# Altium PCB RTM_SFP_no-teardrops.PcbDoc (part 3 of 7)
Units mil, origin at the board's own origin, x right, y up, seen from the top; angles counter-clockwise.
Board outline 7185 x 5846.5 mil, 4 copper layers (Top Layer, MidPlane_1, MidPlane_2, Bottom Layer), stack 63.553 mil thick; 389 components, 333 nets, 1578 pads, 1486 vias.
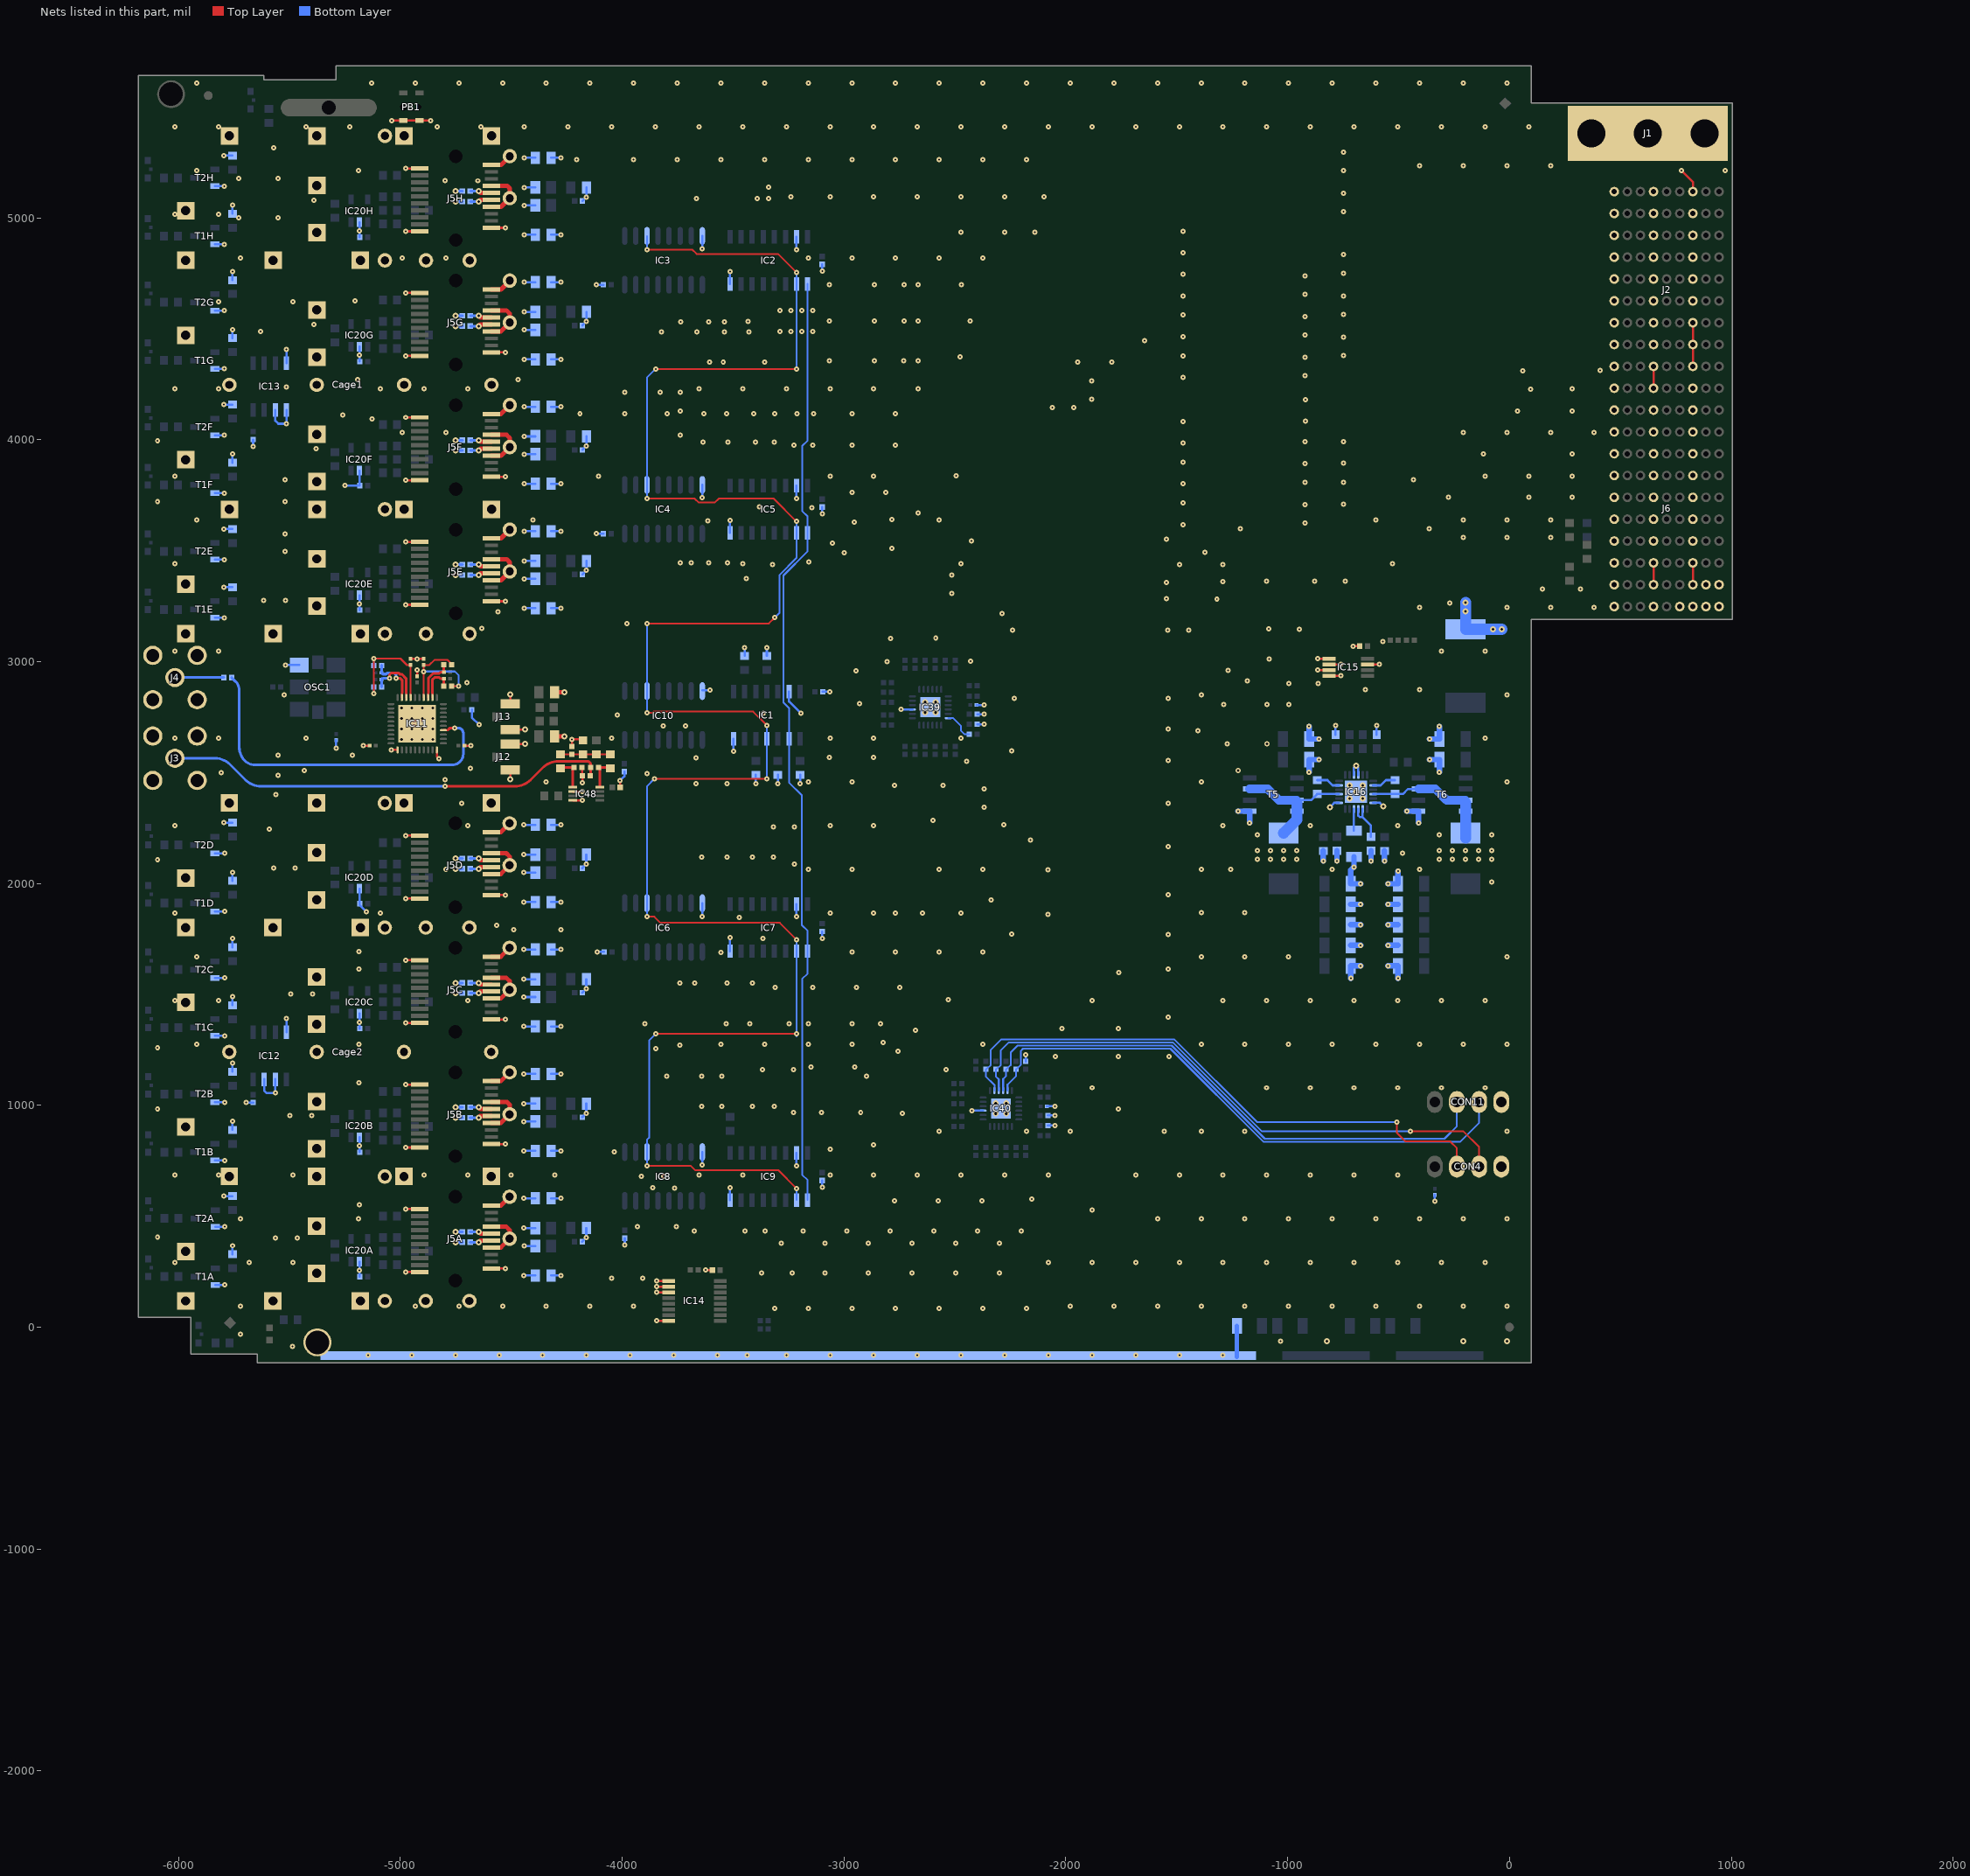
[diagram p5: the nets of this part, all layers, seen from the top]

## Via types
v1: diameter 23.62, hole 7.87, Top Layer to Bottom Layer, tented both sides, 1401 vias
v2: diameter 27.56, hole 11.81, Top Layer to Bottom Layer, tented both sides, 59 vias
v3: diameter 25.98, hole 12.99, Top Layer to Bottom Layer, tented top, 24 vias
v4: diameter 23.62, hole 11.81, Top Layer to Bottom Layer, tented both sides, 2 vias

## Nets (pads, with @x,y where several pads share a name; then routed paths per layer and width w, separated by ;. In a path a pad name is that pad's centre, name@x,y a point inside that pad or via, vN(x,y) a via of type N, cw(c..) or ccw(c..) an arc to the next point about the centre after c; other vN are vias at no path point) (continued)
GND: C1.2 C2.2 C3.2 C4.2 C6.2 C7.2 C8.2 C9.1 C10.1 C12.1 C13A.2 C13B.2 C13C.2 C13D.2 C13E.2 C13F.2 C13G.2 C13H.2 C14.1 C15.1 C16.2 C17.2 C19.1 C20.2 C21.2 C22.2 C23.2 C24.1 C25.2 C26.2 C27.2 C84.2 C176.1 C179.1 C180.1 C181.1 C182.1 C186A.2 C186B.2 C186C.2 C186D.2 C186E.2 C186F.2 C186G.2 C186H.2 C202A.1 C202B.1 C202C.1 C202D.1 C202E.1 C202F.1 C202G.1 C202H.1 C207.1 C208.1 C209.1 C210.1 C213.1 C214A.2 C214B.2 C214C.2 C214D.2 C214E.2 C214F.2 C214G.2 C214H.2 C219A.2 C219B.2 C219C.2 C219D.2 C219E.2 C219F.2 C219G.2 C219H.2 C220A.2 C220B.2 C220C.2 C220D.2 C220E.2 C220F.2 C220G.2 C220H.2 C228A.2 C228B.2 C228C.2 C228D.2 C228E.2 C228F.2 C228G.2 C228H.2 C386.1 C390.1 C391.1 C396.1 C397.1 C399.1 C400.1 C401.1 C402.1 C403.1 C404.1 Cage1.1 Cage1.2 Cage1.3 Cage1.4 Cage1.5 Cage1.6 Cage1.7 Cage1.8 Cage1.9 Cage1.10 Cage1.11 Cage1.12 Cage1.13 Cage1.14 Cage1.15 Cage1.16 Cage1.17 Cage1.18 Cage1.19 Cage1.20 Cage1.21 Cage1.22 Cage1.23 Cage1.24 Cage1.25 Cage1.26 Cage1.27 Cage1.28 Cage1.29 Cage1.30 Cage1.31 Cage1.32 Cage1.33 Cage1.34 Cage1.35 Cage1.36 Cage1.37 Cage1.38 Cage1.39 Cage1.40 Cage1.41 Cage1.42 Cage1.43 Cage1.44 Cage1.45 Cage1.46 Cage2.1 Cage2.2 Cage2.3 Cage2.4 Cage2.5 Cage2.6 Cage2.7 Cage2.8 Cage2.9 Cage2.10 Cage2.11 Cage2.12 Cage2.13 Cage2.14 Cage2.15 Cage2.16 Cage2.17 Cage2.18 Cage2.19 Cage2.20 Cage2.21 Cage2.22 Cage2.23 Cage2.24 Cage2.25 Cage2.26 Cage2.27 Cage2.28 Cage2.29 Cage2.30 Cage2.31 Cage2.32 Cage2.33 Cage2.34 Cage2.35 Cage2.36 Cage2.37 Cage2.38 Cage2.39 Cage2.40 Cage2.41 Cage2.42 Cage2.43 Cage2.44 Cage2.45 Cage2.46 CON4.1 CON11.1 IC1.7 IC1.13 IC2.8 IC2.15 IC3.8 IC4.8 IC5.8 IC5.15 IC6.8 IC7.8 IC7.15 IC8.8 IC9.8 IC9.15 IC10.8 IC11.21 IC11.30 IC11.41 IC12.4 IC12.6 IC12.7 IC13.4 IC13.5 IC13.6 IC14.1 IC14.2 IC14.3 IC14.8 IC15.1 IC15.2 IC15.3 IC15.4 IC15.7 IC16.3 IC16.4 IC16.12 IC16.19 IC16.25 IC20A.2 IC20B.2 IC20C.2 IC20D.2 IC20E.2 IC20F.2 IC20G.2 IC20H.2 IC39.9 IC39.25 IC40.9 IC40.25 IC48.2 IC48.4 J1.1 J2.BG1 J2.BG2 J2.BG3 J2.BG4 J2.BG5 J2.BG6 J2.BG7 J2.BG8 J2.BG9 J2.BG10 J2.DG1 J2.DG2 J2.DG3 J2.DG4 J2.DG5 J2.DG6 J2.DG7 J2.DG8 J2.DG9 J2.DG10 J2.FG1 J2.FG2 J2.FG3 J2.FG4 J2.FG5 J2.FG6 J2.FG7 J2.FG8 J2.FG9 J2.FG10 J3.2 J4.2 J5A.1 J5A.10 J5A.11 J5A.14 J5A.17 J5A.20 J5B.1 J5B.10 J5B.11 J5B.14 J5B.17 J5B.20 J5C.1 J5C.10 J5C.11 J5C.14 J5C.17 J5C.20 J5D.1 J5D.10 J5D.11 J5D.14 J5D.17 J5D.20 J5E.1 J5E.10 J5E.11 J5E.14 J5E.17 J5E.20 J5F.1 J5F.10 J5F.11 J5F.14 J5F.17 J5F.20 J5G.1 J5G.10 J5G.11 J5G.14 J5G.17 J5G.20 J5H.1 J5H.10 J5H.11 J5H.14 J5H.17 J5H.20 J6.BG1 J6.BG2 J6.BG3 J6.BG4 J6.BG5 J6.BG6 J6.BG7 J6.BG8 J6.BG9 J6.BG10 J6.C1 J6.DG1 J6.DG2 J6.DG3 J6.DG4 J6.DG5 J6.DG6 J6.DG7 J6.DG8 J6.DG9 J6.DG10 J6.FG1 J6.FG2 J6.FG3 J6.FG4 J6.FG5 J6.FG6 J6.FG7 J6.FG8 J6.FG9 J6.FG10 J12.2 J13.2 OSC1.3 pad.ESD_STRIP_SEGMENT_3 pad.MH2 PB1.3 PB1.4 R2.1 R3.1 R4.1 R5.1 R10A.1 R10B.1 R10C.1 R10D.1 R10E.1 R10F.1 R10G.1 R10H.1 R12A.1 R12B.1 R12C.1 R12D.1 R12E.1 R12F.1 R12G.1 R12H.1 R13.1 R18.1 R22.2 R26.1 R30.1 R54.2 R211.2 R246.1 R248.1 R326.1 R327.1 R347.1 R348.1 R349.1 T1A.2 T1B.2 T1C.2 T1D.2 T1E.2 T1F.2 T1G.2 T1H.2 T2A.2 T2B.2 T2C.2 T2D.2 T2E.2 T2F.2 T2G.2 T2H.2 T5.1 T6.1 | length 14420
  Top Layer w10: v1(-5166.93,2621.26) C399.1@-5138.19,2621.26 ; v1(-5040.94,2601.97) IC11.21@-5012.99,2601.97 ; v1(-5038.43,5438.44) PB1.3@-4987.26,5438.44 PB1.4@-4914.42,5438.44 v1(-4863.24,5438.44) ; v1(-4976.29,249.06) J5A.10@-4912.98,249.06 ; v1(-4976.29,532.53) J5A.1@-4912.98,532.53 ; v1(-4976.29,810.09) J5B.10@-4912.98,810.09 ; v1(-4976.29,1093.55) J5B.1@-4912.98,1093.55 ; v1(-4976.29,1371.11) J5C.10@-4912.98,1371.11 ; v1(-4976.29,1654.58) J5C.1@-4912.98,1654.58 ; v1(-4976.29,1932.13) J5D.10@-4912.98,1932.13 ; v1(-4976.29,2215.6) J5D.1@-4912.98,2215.6 ; v1(-4975.73,3256.16) J5E.10@-4912.42,3256.16 ; v1(-4975.73,3539.62) J5E.1@-4912.42,3539.62 ; v1(-4975.73,3817.18) J5F.10@-4912.42,3817.18 ; v1(-4975.73,4100.65) J5F.1@-4912.42,4100.65 ; v1(-4975.73,4378.21) J5G.10@-4912.42,4378.21 ; v1(-4975.73,4661.67) J5G.1@-4912.42,4661.67 ; v1(-4975.73,4939.23) J5H.10@-4912.42,4939.23 ; v1(-4975.73,5222.69) J5H.1@-4912.42,5222.69 ; C397.1@-4953.94,3011.81 v1(-4924.41,3011.81) C396.1@-4894.88,3011.81 ; C400.1@-4924.41,2934.25 v1(-4924.41,2962.99) ; IC11.30@-4835.83,2601.97 -4835.83,2572.44 v1(-4825.59,2562.2) ; C401.1@-4710.63,2621.26 v1(-4681.89,2621.26) ; J5A.11@-4590.14,264.81 v1(-4526.83,264.81) ; J5B.11@-4590.14,825.83 v1(-4526.83,825.83) ; J5C.11@-4590.14,1386.86 v1(-4526.83,1386.86) ; J5D.11@-4590.14,1947.88 v1(-4526.83,1947.88) ; J5E.11@-4589.58,3271.91 v1(-4526.27,3271.91) ; J5F.11@-4589.58,3832.93 v1(-4526.27,3832.93) ; J5G.11@-4589.58,4393.95 v1(-4526.27,4393.95) ; J5H.11@-4589.58,4954.98 v1(-4526.27,4954.98) ; v2(-4504.72,2469.09) J12.2@-4504.72,2512.4 ; J12.2@-4504.72,2628.54 v2(-4437.8,2628.54) ; J13.2@-4504.72,2693.5 v2(-4437.8,2693.5) ; J13.2@-4504.72,2809.65 v2(-4504.72,2852.95) ; C16.2@-4226.77,2617.32 v1(-4226.77,2649.21) -4181.1,2649.21 R26.1@-4176.77,2644.88 ; IC48.4@-4222.44,2374.41 v1(-4179.63,2374.41) ; IC48.2@-4222.44,2413.78 v1(-4179.63,2413.78) ; R211.2@-4181.6,2487.01 C19.1@-4181.6,2522.83 ; v1(-4179.63,2454.62) R211.2@-4179.63,2485.04 ; C17.2@-4009.45,2433.46 v1(-4009.45,2464.17) ; v1(-3843.9,28.94) IC14.8@-3790.55,28.94 ; v1(-3843.9,156.89) IC14.3@-3790.55,156.89 ; v1(-3843.9,182.48) IC14.2@-3790.55,182.48 ; v1(-3843.9,208.07) IC14.1@-3790.55,208.07 ; v1(-3623.62,257.48) C26.2@-3593.7,257.48 ; v1(-864.76,2962.01) IC15.3@-812.6,2962.01 ; v1(-864.76,3013.19) IC15.1@-812.6,3013.19 ; IC15.4@-812.6,2936.42 v1(-760.43,2936.42) ; IC15.2@-812.6,2987.6 v1(-760.43,2987.6) ; v1(-705.51,3069.69) C27.2@-674.8,3069.69 ; IC15.7@-639.37,2987.6 v1(-586.81,2987.6) ; J6.DG2@649.61,3346.46 J6.DG3@649.61,3444.88 ; J2.DG1@649.61,4232.28 J2.DG2@649.61,4330.71 ; v1(775.58,5213.05) 826.77,5161.85 J2.BG10@826.77,5118.11 ; J6.BG2@826.77,3346.46 J6.BG3@826.77,3444.88 ; J2.BG2@826.77,4330.71 J2.BG3@826.77,4429.13 J2.BG4@826.77,4527.56
  Top Layer w19.68: J5A.14@-4590.14,359.3 -4547.03,359.3 Cage2.43@-4507.46,398.87 -4507.46,437.78 -4523.47,453.79 J5A.17@-4590.14,453.79 ; J5A.20@-4590.14,548.28 -4547.03,548.28 Cage2.42@-4507.46,587.84 ; J5B.14@-4590.14,920.32 -4547.03,920.32 Cage2.40@-4507.46,959.89 -4507.46,1003.13 -4519.14,1014.81 J5B.17@-4590.14,1014.81 ; J5B.20@-4590.14,1109.3 -4547.03,1109.3 Cage2.39@-4507.46,1148.87 ; J5C.14@-4590.14,1481.35 -4547.03,1481.35 Cage2.34@-4507.46,1520.91 -4507.46,1560.22 -4523.08,1575.84 J5C.17@-4590.14,1575.84 ; J5C.20@-4590.14,1670.32 -4547.03,1670.32 Cage2.33@-4507.46,1709.89 ; J5D.14@-4590.14,2042.37 -4547.03,2042.37 Cage2.29@-4507.46,2081.94 -4507.46,2121.64 -4522.69,2136.86 J5D.17@-4590.14,2136.86 ; J5D.20@-4590.14,2231.35 -4547.03,2231.35 Cage2.28@-4507.46,2270.91 ; J5E.14@-4589.58,3366.39 -4546.47,3366.39 Cage1.43@-4506.91,3405.96 -4506.91,3447.46 -4520.33,3460.88 J5E.17@-4589.58,3460.88 ; J5E.20@-4589.58,3555.37 -4546.47,3555.37 Cage1.42@-4506.91,3594.94 ; J5F.14@-4589.58,3927.42 -4546.47,3927.42 Cage1.40@-4506.91,3966.98 -4506.91,4007.69 -4521.12,4021.91 J5F.17@-4589.58,4021.91 ; J5F.20@-4589.58,4116.39 -4546.47,4116.39 Cage1.39@-4506.91,4155.96 ; J5G.14@-4589.58,4488.44 -4546.47,4488.44 Cage1.34@-4506.91,4528.01 -4506.91,4567.93 -4521.91,4582.93 J5G.17@-4589.58,4582.93 ; J5G.20@-4589.58,4677.42 -4546.47,4677.42 Cage1.33@-4506.91,4716.99 ; J5H.14@-4589.58,5049.47 -4546.47,5049.47 Cage1.29@-4506.91,5089.03 -4506.91,5132.5 -4518.36,5143.95 J5H.17@-4589.58,5143.95 ; J5H.20@-4589.58,5238.44 -4546.47,5238.44 Cage1.28@-4506.91,5278.01 ; C24.1@-4304.33,2662.6 v2(-4261.02,2662.6) ; C390.1@-4304.33,2861.42 v2(-4261.02,2861.42)
  Bottom Layer w10: T1E.2@-5836.61,3197.84 v1(-5793.7,3197.84) ; T2E.2@-5836.61,3459.65 v1(-5793.7,3459.65) ; T1F.2@-5836.61,3758.86 v1(-5793.7,3758.86) ; T2F.2@-5836.61,4020.67 v1(-5793.7,4020.67) ; T1G.2@-5836.61,4319.88 v1(-5793.7,4319.88) ; T2G.2@-5836.61,4581.69 v1(-5793.7,4581.69) ; T1H.2@-5836.61,4880.91 v1(-5793.7,4880.91) ; T2H.2@-5836.61,5142.72 v1(-5793.7,5142.72) ; T1B.2@-5835.63,751.97 v1(-5792.72,751.97) ; T2B.2@-5835.63,1013.78 v1(-5792.72,1013.78) ; T1C.2@-5835.63,1312.99 v1(-5792.72,1312.99) ; T2C.2@-5835.63,1574.8 v1(-5792.72,1574.8) ; T1D.2@-5835.63,1874.02 v1(-5792.72,1874.02) ; T2D.2@-5835.63,2135.83 v1(-5792.72,2135.83) ; T1A.2@-5835.06,190.9 v1(-5792.14,190.9) ; T2A.2@-5835.06,452.71 v1(-5792.14,452.71) ; v1(-5795.67,590.5) R10A.1@-5756.69,590.5 ; v1(-5795.67,2273.62) R10D.1@-5756.69,2273.62 ; v1(-5795.67,3335.63) R12E.1@-5756.69,3335.63 ; v1(-5795.67,3597.44) R10E.1@-5756.69,3597.44 ; v1(-5795.67,4158.46) R10F.1@-5756.69,4158.46 ; v1(-5795.67,5280.51) R10H.1@-5756.69,5280.51 ; R12A.1@-5756.69,328.69 v1(-5756.69,367.67) ; R12B.1@-5756.69,889.76 v1(-5756.69,928.74) ; R10B.1@-5756.69,1151.57 v1(-5756.69,1190.55) ; R12C.1@-5756.69,1450.79 v1(-5756.69,1489.76) ; R10C.1@-5756.69,1712.6 v1(-5756.69,1751.57) ; R12D.1@-5756.69,2011.81 v1(-5756.69,2050.79) ; R12F.1@-5756.69,3896.65 v1(-5756.69,3935.63) ; R12G.1@-5756.69,4457.68 v1(-5756.69,4496.65) ; R10G.1@-5756.69,4719.49 v1(-5756.69,4758.46) ; R12H.1@-5756.69,5018.7 v1(-5756.69,5057.68) ; v1(-5694.65,1012.6) C21.2@-5663.8,1012.6 ; v1(-5663.8,3970.13) C25.2@-5663.8,4000.99 ; IC12.7@-5613.8,1117.58 -5613.8,1065.76 -5604.32,1056.28 v1(-5563.8,1056.28) IC12.6@-5563.8,1117.58 ; IC13.6@-5563.8,4133.32 -5563.8,4085.84 -5549.98,4072.03 v1(-5513.8,4072.03) IC13.5@-5513.8,4133.32 ; v1(-5517.72,2984.65) OSC1.3@-5455.12,2984.65 ; IC12.4@-5513.8,1330.17 v1(-5513.8,1391.46) ; IC13.4@-5513.8,4345.92 v1(-5513.8,4407.21) ; v1(-5289.76,2610.24) C391.1@-5289.76,2646.85 ; v1(-5250.39,3793.31) C202F.1@-5184.25,3793.31 ; C202A.1@-5184.25,227.9 IC20A.2@-5184.25,295.23 ; C202B.1@-5184.25,788.98 IC20B.2@-5184.25,856.3 ; C202C.1@-5184.25,1346.06 IC20C.2@-5184.25,1413.39 ; C202D.1@-5184.25,1909.06 IC20D.2@-5184.25,1976.38 ; C202E.1@-5184.25,3231.89 IC20E.2@-5184.25,3299.21 ; IC20F.2@-5184.25,3860.63 C202F.1@-5184.25,3793.31 ; C202G.1@-5184.25,4352.36 IC20G.2@-5184.25,4419.69 ; C202H.1@-5184.25,4912.99 IC20H.2@-5184.25,4980.32 ; C202D.1@-5183.46,1909.06 -5183.46,1902.76 v1(-5153.94,1873.23) ; C202F.1@-5183.46,3793.31 C202F.1@-5184.25,3793.31 ; R30.1@-4677.56,2783.07 -4677.56,2748.43 v1(-4645.67,2716.54) ; C219A.2@-4321.43,233.46 v1(-4276.74,233.46) ; C220A.2@-4321.43,580.7 v1(-4276.74,580.7) ; C219B.2@-4321.43,794.48 v1(-4276.74,794.48) ; C220B.2@-4321.43,1141.72 v1(-4276.74,1141.72) ; C219C.2@-4321.43,1355.5 v1(-4276.74,1355.5) ; C220C.2@-4321.43,1702.75 v1(-4276.74,1702.75) ; C219D.2@-4321.43,1916.53 v1(-4276.74,1916.53) ; C220D.2@-4321.43,2263.77 v1(-4276.74,2263.77) ; C219E.2@-4320.87,3240.55 v1(-4276.18,3240.55) ; C220E.2@-4320.87,3587.8 v1(-4276.18,3587.8) ; C219F.2@-4320.87,3801.58 v1(-4276.18,3801.58) ; C220F.2@-4320.87,4148.82 v1(-4276.18,4148.82) ; C219G.2@-4320.87,4362.6 v1(-4276.18,4362.6) ; C220G.2@-4320.87,4709.84 v1(-4276.18,4709.84) ; C219H.2@-4320.87,4923.62 v1(-4276.18,4923.62) ; C220H.2@-4320.87,5270.87 v1(-4276.18,5270.87) ; C186A.2@-4179.8,385.71 -4161.98,403.54 C13A.2@-4161.98,446.84 ; C186B.2@-4179.69,946.84 v1(-4161.98,964.56) C13B.2@-4161.98,1007.87 ; C186C.2@-4179.69,1507.87 v1(-4161.98,1525.58) C13C.2@-4161.98,1568.89 ; C186D.2@-4179.69,2068.89 v1(-4161.98,2086.61) C13D.2@-4161.98,2129.91 ; C186E.2@-4179.13,3392.91 -4161.42,3410.63 C13E.2@-4161.42,3453.94 ; C186F.2@-4179.13,3953.94 -4161.42,3971.65 C13F.2@-4161.42,4014.96 ; C186G.2@-4179.13,4514.96 -4161.42,4532.68 C13G.2@-4161.42,4575.98 ; C186H.2@-4179.13,5075.98 v1(-4161.42,5093.7) C13H.2@-4161.42,5137.01 ; v1(-4116.14,4698.43) C6.2@-4085.04,4698.43 ; v1(-4116.05,3576.47) C7.2@-4085.04,3576.47 ; v1(-4112.5,1691.43) C22.2@-4081.5,1691.43 ; v1(-4009.45,2464.17) -3990.16,2483.46 C1.2@-3990.16,2503.94 ; v1(-3988.58,370.47) C2.2@-3988.58,400.98 ; v1(-3638.78,731.9) IC8.8@-3638.78,789.38 ; v1(-3638.78,1850.2) IC6.8@-3638.78,1911.43 ; IC10.8@-3638.78,2871.06 v1(-3604.13,2871.06) ; v1(-3638.78,3738.99) IC4.8@-3638.78,3796.47 ; v1(-3638.78,4861.04) IC3.8@-3638.78,4918.52 ; IC9.8@-3514.17,573.08 v1(-3514.17,629.77) ; IC7.8@-3514.17,1695.13 v1(-3514.17,1756.36) ; IC5.8@-3514.17,3580.17 v1(-3514.17,3636.87) ; IC2.8@-3514.17,4702.22 v1(-3514.17,4758.91) ; v1(-3498.03,2594.88) IC1.7@-3498.03,2651.57 ; R2.1@-3448.03,3025.59 v1(-3448.03,3063.78) ; v1(-3397.64,2449.21) R3.1@-3397.64,2490.16 ; R5.1@-3348.03,3025.59 v1(-3348.03,3063.78) ; v1(-3298.03,2449.21) R13.1@-3298.03,2490.16 ; IC1.13@-3248.03,2864.17 -3248.03,2820.47 v1(-3194.09,2766.54) ; v1(-3214.17,728.2) IC9.15@-3214.17,785.68 ; v1(-3214.17,1850.24) IC7.15@-3214.17,1907.72 ; v1(-3214.17,3735.29) IC5.15@-3214.17,3792.77 ; v1(-3214.17,4857.34) IC2.15@-3214.17,4914.82 ; v1(-3198.03,2449.21) R4.1@-3198.03,2490.16 ; v1(-3098.43,630.56) C3.2@-3098.43,661.66 ; v1(-3098.43,1752.61) C4.2@-3098.43,1783.71 ; v1(-3098.43,3665.21) C20.2@-3098.43,3696.32 ; v1(-3098.43,4759.7) C8.2@-3098.43,4790.8 ; C23.2@-3096.06,2864.17 v1(-3064.96,2864.17) ; v1(-2742.53,2784.26) IC39.9@-2691.68,2784.26 ; v1(-2424.08,975.98) IC40.9@-2373.23,975.98 ; C404.1@-2403.15,2803.94 v1(-2368.11,2803.94) ; R327.1@-2399.21,2717.72 v1(-2368.11,2717.72) ; R326.1@-2399.21,2762.8 v1(-2368.11,2762.8) ; R349.1@-2180.37,1197.63 v1(-2180.37,1228.73) ; C402.1@-2084.7,995.67 v1(-2049.66,995.67) ; R348.1@-2080.76,909.44 v1(-2049.66,909.44) ; R347.1@-2080.76,954.52 v1(-2049.66,954.52) ; v2(-809.84,2343.7) -790.16,2363.39 IC16.19@-768.11,2363.39 ; R248.1@-783.86,2670.47 v1(-783.86,2711.42) ; IC16.3@-701.18,2489.37 -701.18,2521.26 v2(-691.34,2531.1) -681.5,2521.26 IC16.4@-681.5,2489.37 ; IC16.12@-614.57,2363.39 -584.65,2363.39 v2(-568.9,2347.64) ; R18.1@-598.82,2670.47 v1(-598.82,2711.42) ; v1(-337.02,567.31) C403.1@-337.02,596.06
  Bottom Layer w11.81: v2(-4751.97,383.27) C228A.2@-4720.47,383.27 ; v2(-4751.97,429.92) C214A.2@-4720.47,429.92 ; v2(-4751.97,944.29) C228B.2@-4720.47,944.29 ; v2(-4751.97,990.94) C214B.2@-4720.47,990.94 ; v2(-4751.97,1505.31) C228C.2@-4720.47,1505.31 ; v2(-4751.97,1551.97) C214C.2@-4720.47,1551.97 ; v2(-4751.97,2066.34) C228D.2@-4720.47,2066.34 ; v2(-4751.97,2112.99) C214D.2@-4720.47,2112.99 ; v2(-4751.41,3390.36) C228E.2@-4719.91,3390.36 ; v2(-4751.41,3437.02) C214E.2@-4719.91,3437.02 ; v2(-4751.41,3951.39) C228F.2@-4719.91,3951.39 ; v2(-4751.41,3998.04) C214F.2@-4719.91,3998.04 ; v2(-4751.41,4512.41) C228G.2@-4719.91,4512.41 ; v2(-4751.41,4559.06) C214G.2@-4719.91,4559.06 ; v2(-4751.41,5073.43) C228H.2@-4719.91,5073.43 ; v2(-4751.41,5120.09) C214H.2@-4719.91,5120.09
  Bottom Layer w19.68: pad.ESD_STRIP_SEGMENT_3@-1229.15,-134.39 R22.2@-1229.15,6.35
  Bottom Layer w25: v1(-1224.02,2325.79) T5.1@-1171.26,2325.79 v1(-1171.26,2273.03) ; v1(-903.54,2501.97) C9.1@-903.54,2558.66 v1(-858.66,2558.66) ; v1(-903.54,2707.87) C10.1@-903.54,2651.18 v1(-858.66,2651.18) ; v1(-839.37,2101.97) R54.2@-839.37,2146.85 ; v1(-777.95,2101.97) C84.2@-777.95,2146.85 ; v1(-715.35,1572.05) C181.1@-715.35,1628.74 v1(-670.47,1628.74) ; C182.1@-715.35,1721.26 v1(-670.47,1721.26) ; C180.1@-715.35,1813.78 v1(-670.47,1813.78) ; C179.1@-715.35,1906.3 v1(-670.47,1906.3) ; C207.1@-701.18,2119.29 v1(-701.18,2074.41) -715.35,2060.24 C176.1@-715.35,1998.82 v1(-670.47,1998.82) ; v1(-624.41,2101.97) C386.1@-624.41,2146.85 ; v1(-563.39,2101.97) R246.1@-563.39,2146.85 ; v1(-547.64,1628.74) C15.1@-502.76,1628.74 v1(-502.76,1572.05) ; v1(-547.64,1721.26) C213.1@-502.76,1721.26 ; v1(-547.64,1813.78) C210.1@-502.76,1813.78 ; v1(-547.64,1906.3) C208.1@-502.76,1906.3 ; v1(-547.64,1998.82) C209.1@-502.76,1998.82 v1(-502.76,2055.51) ; v1(-462.99,2325.79) T6.1@-410.24,2325.79 v1(-410.24,2273.03) ; v1(-360.63,2558.66) C12.1@-315.75,2558.66 v1(-315.75,2501.97) ; v1(-360.63,2651.18) C14.1@-315.75,2651.18 v1(-315.75,2707.87)
  other v1: -5145.67,-125.59 -4948.82,-125.59 -4751.97,-125.59 -4555.12,-125.59 -4358.27,-125.59 -4161.42,-125.59 -3964.57,-125.59 -3767.72,-125.59 -3570.87,-125.59 -3437.02,-125.59 -3259.86,-125.59 -3063.01,-125.59 -2866.16,-125.59 -2669.31,-125.59 -2472.46,-125.59 -2275.61,-125.59 -2078.76,-125.59 -1881.91,-125.59 -1685.05,-125.59 -1488.2,-125.59 -1291.35,-125.59 -5485.83,-86.22 -1032.3,-62.49 -5720.49,-32.29 -3312.6,85.43 -3161.43,85.43 -2964.58,85.43 -2767.73,85.43 -2570.88,85.43 -2374.03,85.43 -2177.18,85.43 -5720.49,94.94 -4933.09,94.94 -4736.24,94.94 -4539.39,94.94 -4342.54,94.94 -4145.68,94.94 -3948.83,94.94 -1980.33,94.94 -1783.48,94.94 -1586.63,94.94 -1389.78,94.94 -1192.93,94.94 -996.08,94.94 -799.23,94.94 -602.38,94.94 -405.53,94.94 -208.68,94.94 -11.83,94.94 -4047.26,221.26 -3907.09,221.26 -3372.05,245.08 -3233.27,245.08 -3086.61,245.08 -2889.76,245.08 -2692.91,245.08 -2496.06,245.08 -2299.21,245.08 -5184.25,256.64 -6015.76,291.79 -5681.12,291.79 -5484.27,291.79 -2078.76,291.79 -1881.91,291.79 -1685.05,291.79 -1488.2,291.79 -1291.35,291.79 -1094.5,291.79 -897.65,291.79 -700.8,291.79 -503.95,291.79 -307.1,291.79 -110.25,291.79 -3283.46,377.95 -3086.61,377.95 -2889.76,377.95 -2692.91,377.95 -2496.06,377.95 -2299.21,377.95 -5562.6,401.58 -5465.35,401.58 -4161.42,403.54 -6094.49,405.51 -3675.99,434.25 -3446.85,434.25 -3355.51,434.25 -3185.04,434.25 -2988.19,434.25 -2791.34,434.25 -2594.49,434.25 -2397.64,434.25 -2200.79,434.25 -3932.29,453.94 -3756.7,453.94 -5720.49,488.64 -5188.99,488.64 -1586.63,488.64 -1389.78,488.64 -1192.93,488.64 -996.08,488.64 -799.23,488.64 -602.38,488.64 -405.53,488.64 -208.68,488.64 -11.83,488.64 -1881.89,527.56 -5185.04,551.18 -2771.65,568.9 -2574.8,568.9 -2377.95,568.9 -2153.54,576.77 -3764.57,627.16 -3862.21,629.53 -3912.99,680.71 -3812.99,680.71 -6015.76,685.49 -5818.91,685.49 -5484.27,685.49 -4893.72,685.49 -4696.87,685.49 -4500.02,685.49 -4303.17,685.49 -3653.56,685.49 -3456.71,685.49 -3063.01,685.49 -2866.16,685.49 -2669.31,685.49 -2472.46,685.49 -2275.61,685.49 -2078.76,685.49 -1685.05,685.49 -1488.2,685.49 -1291.35,685.49 -1094.5,685.49 -897.65,685.49 -700.8,685.49 -503.95,685.49 -4035.43,791.34 -3062.99,803.15 -5184.25,817.72 -2866.14,822.83 -2570.88,882.34 -2177.18,882.34 -1980.33,882.34 -1557.1,882.34 -1389.78,882.34 -1192.93,882.34 -11.83,882.34 -5497.88,953.15 -5400.63,953.15 -2736.22,964.57 -3228.35,968.5 -3102.36,968.5 -2925.2,968.5 -6094.49,984.25 -1763.78,984.25 -3641.73,995.08 -3551.18,995.08 -3413.39,995.08 -3314.96,995.08 -1881.91,1079.19 -1094.5,1079.19 -897.65,1079.19 -700.8,1079.19 -503.95,1079.19 -307.1,1079.19 -110.25,1079.19 -5186.04,1102.36 -3799.21,1131.89 -3641.73,1131.89 -3551.18,1131.89 -2898.62,1131.89 -3367.13,1160.43 -3228.35,1161.42 -2539.37,1161.42 -3149.61,1173.23 -2952.76,1173.23 -2047.24,1220.47 -1763.78,1220.47 -1535.43,1220.47 -2755.91,1244.09 -3848.43,1255.91 -6094.49,1259.84 -3740.16,1271.65 -5917.34,1276.04 -5186.04,1276.04 -3555.13,1276.04 -3358.28,1276.04 -3161.43,1276.04 -2964.58,1276.04 -2374.03,1276.04 -1389.78,1276.04 -1192.93,1276.04 -996.08,1276.04 -799.23,1276.04 -602.38,1276.04 -405.53,1276.04 -208.68,1276.04 -11.83,1276.04 -2822.83,1283.46 -2677.17,1338.58 -2017.72,1346.46 -1763.78,1346.46 -3897.64,1367.13 -3531.5,1367.13 -3425.2,1367.13 -3248.03,1367.13 -3161.42,1367.13 -2964.57,1367.13 -2835.63,1367.13 -5184.25,1374.8 -1539.37,1397.64 -6015.76,1472.89 -5818.91,1472.89 -4696.87,1472.89 -1881.91,1472.89 -1291.35,1472.89 -1094.5,1472.89 -897.65,1472.89 -700.8,1472.89 -503.95,1472.89 -307.1,1472.89 -110.25,1472.89 -2530.51,1475.39 -5493.83,1502.36 -5396.59,1502.36 -3311.02,1531.5 -3141.73,1531.5 -2944.88,1531.5 -2748.03,1531.5 -3740.16,1551.18 -3673.23,1551.18 -3527.56,1551.18 -3413.39,1551.18 -1760.83,1599.41 -5186.02,1614.17 -1539.37,1614.17 -5917.34,1669.74 -1389.78,1669.74 -1192.93,1669.74 -996.08,1669.74 -11.83,1669.74 -3555.13,1689.43 -2964.58,1691.39 -2767.73,1691.39 -2570.88,1691.39 -2374.03,1691.39 -5186.02,1692.91 -3366.14,1751.97 -1539.37,1770.08 -2244.09,1771.65 -4488.19,1791.34 -4275.59,1791.34 -4566.93,1811.02 -3472.44,1846.46 -2080.71,1860.24 -2767.72,1866.14 -2645.67,1866.14 -6015.76,1866.59 -5090.57,1866.59 -3063.01,1866.59 -2866.16,1866.59 -2472.46,1866.59 -1389.78,1868.9 -1192.93,1868.9 -2337.8,1926.38 -1539.37,1948.82 -79.53,2006.69 -2080.71,2062.01 -4795.29,2063.44 -3161.43,2063.44 -2964.58,2063.44 -2570.88,2063.44 -2374.03,2063.44 -1389.78,2063.44 -1255.92,2063.44 -799.23,2063.44 -405.53,2063.44 -5571.39,2070.08 -5474.14,2070.08 -3224.41,2086.61 -6094.49,2106.3 -3641.73,2118.11 -3527.56,2118.11 -3413.39,2118.11 -3318.9,2118.11 -482.68,2136.61 -1539.37,2165.35 -2160.43,2194.88 -5590.55,2244.09 -3318.9,2253.94 -3224.41,2253.94 -6015.76,2260.29 -4696.87,2260.29 -3063.01,2260.29 -2866.16,2260.29 -1291.35,2260.29 -897.65,2260.29 -503.95,2260.29 -2280.53,2265.21 -2598.43,2283.46 -2367.81,2343.01 -4724.41,2362.2 -1539.37,2362.2 -5561.02,2401.57 -2367.81,2426.08 -2772.05,2441.73 -2554.33,2442.13 -3668.11,2449.21 -3526.77,2449.21 -4342.54,2457.14 -3161.43,2457.14 -2964.58,2457.14 -1389.78,2457.14 -11.83,2457.14 -4797.64,2468.11 -5551.18,2488.19 -3887.8,2495.08 -5807.07,2500 -5433.07,2509.84 -4685.04,2519.69 -2447.64,2551.18 -1539.37,2555.12 -3668.11,2566.93 -3065.75,2568.11 -2866.93,2568.11 -5551.18,2578.74 -5216.54,2578.74 -2244.09,2598.43 -1271.65,2629.92 -6015.76,2653.99 -5818.91,2653.99 -5425.21,2653.99 -4047.26,2653.99 -3063.01,2653.99 -2866.16,2653.99 -2472.46,2653.99 -110.25,2653.99 -1405.51,2688.98 -1539.37,2696.85 -3814.18,2709.45 -3714.18,2709.45 -4021.66,2760.24 -3363.78,2766.54 -1287.4,2807.09 -1092.52,2807.09 -994.09,2807.09 -2929.53,2809.84 -2232.28,2834.65 -1539.37,2834.65 -5523.64,2850.84 -1389.78,2850.84 -11.83,2850.84 -649.61,2874.02 -405.51,2874.02 -994.09,2901.57 -862.2,2901.57 -4700.79,2905.51 -1181.1,2913.39 -2946.46,2958.66 -1267.72,2960.63 -2806.3,3000.39 -2429.92,3001.97 -1082.68,3011.81 -6015.76,3047.69 -5818.91,3047.69 -307.1,3047.69 -110.25,3047.69 -570.87,3090.55 -2790.55,3105.12 -2586.22,3106.1 -2241.14,3141.34 -1540.16,3141.34 -1446.85,3141.34 -946.85,3146.65 -1085.63,3147.64 -4633.86,3149.61 -3979.33,3171.26 -2287.01,3217.32 -4561.02,3225.39 -405.53,3244.54 -11.83,3244.54 185.02,3244.54 381.87,3244.54 -5184.25,3260.63 -268.9,3264.06 -5615.9,3276.77 -5518.66,3276.77 -1318.9,3282.48 -1546.06,3283.86 -2514.57,3306.69 147.64,3326.77 319.88,3326.77 -1546.06,3356.69 -1291.35,3360.63 -1094.49,3362.2 -877.95,3362.2 -740.16,3362.2 -3440.16,3375.2 -2514.57,3389.76 -4161.02,3411.02 -1488.2,3436.47 -1291.35,3436.47 -3322.44,3437.6 -6015.76,3441.39 -3456.71,3441.39 -2472.46,3441.39 -527.57,3441.39 -3738.59,3444.88 -3688.59,3444.88 -3610.24,3444.88 -3525.99,3444.88 -3159.45,3448.43 -2998.43,3490.95 -1372.84,3492.91 -5519.68,3496.06 -2785.04,3510.63 -3051.97,3533.07 -2426.18,3543.31 -1546.06,3551.97 -208.66,3559.06 -11.81,3559.06 185.04,3559.06 -5519.68,3574.8 -362.2,3598.43 -1213.58,3599.41 -1471.39,3617.72 -921.71,3625.14 -2954.74,3628.4 -3614.18,3635.04 -5917.34,3638.24 -4401.59,3638.24 -2570.88,3638.24 -602.38,3638.24 -208.68,3638.24 -11.83,3638.24 185.02,3638.24 -2785.04,3639.76 -2666.14,3670.47 -3144.88,3692.91 -3381.1,3696.85 -921.71,3708.21 -748.63,3710.3 -1471.39,3714.96 -6094.49,3720.47 -5519.68,3720.47 -275.59,3740.16 86.61,3740.16 283.46,3740.16 -2964.58,3762.6 -2811.42,3762.6 -1471.26,3801.45 -748.63,3807.54 -921.58,3808.87 -5519.68,3818.9 -433.07,3818.9 -6015.76,3835.09 -4106.31,3835.09 -3063.01,3835.09 -2866.16,3835.09 -110.25,3835.09 86.6,3835.09 283.45,3835.09 -2494.11,3838.05 -921.58,3891.94 -747.84,3893.76 -1471.26,3898.69 -118.11,3937.01 283.46,3937.01 -5379.53,3960.42 -4161.02,3971.65 -3225.59,3976.38 -3141.73,3976.38 -2964.58,3976.38 -2767.72,3976.38 -1471.26,3984.8 -3636.22,3990.16 -3522.44,3990.16 -3400,3990.16 -3314.18,3990.16 -747.84,3991 -921.58,3992.22 -6094.49,3996.06 -3738.19,4020.67 -4992.14,4031.95 -4795.29,4031.95 -208.68,4031.95 -11.83,4031.95 185.02,4031.95 381.87,4031.95 -1471.26,4082.04 -919.5,4083.13 -5127.95,4094.49 -5258.86,4112.2 -4190.55,4116.93 -3988.59,4116.93 -3797.25,4116.93 -3631.1,4116.93 -3529.92,4116.93 -3406.7,4116.93 -3312.99,4116.93 -3212.6,4116.93 -3137.8,4116.93 -2964.58,4116.93 -2767.72,4116.93 -3738.19,4129.92 35.43,4129.92 283.46,4129.92 -2061.81,4145.28 -1964.57,4145.28 -919.5,4180.37 -1883.72,4181.7 -3988.59,4214.57 -3828.74,4214.57 -3738.19,4214.57 94.49,4228.35 -6015.76,4228.8 -5818.91,4228.8 -5090.57,4228.8 -4893.72,4228.8 -4696.87,4228.8 -3653.56,4228.8 -3456.71,4228.8 -3259.86,4228.8 -3063.01,4228.8 -2866.16,4228.8 -2665.36,4228.8 283.45,4228.8 -5513.8,4236.67 -1883.72,4264.77 -5191.93,4271.65 -4468.5,4271.65 -1471.26,4280.99 -921.58,4288.41 59.06,4311.02 408.46,4312.99 -3606.7,4349.21 -3544.1,4349.21 -3358.28,4349.21 -1945.87,4349.41 -1793.32,4349.41 -3065.36,4356.3 -2863.39,4355.91 -2730.71,4355.91 -2665.36,4355.91 -921.58,4371.48 -2477.36,4373.03 -1471.26,4378.23 -748.52,4380.13 -5184.25,4381.1 -1645.67,4445.87 -748.52,4463.2 -1471.73,4464.63 -922.05,4472.05 -3822.83,4486.22 -3662.6,4486.22 -3539.37,4486.22 -3429.14,4486.22 -5629.92,4488.19 -3288.19,4488.19 -3238.98,4488.19 -3189.37,4488.19 -3140.55,4488.19 -5390.16,4519.48 -3737.01,4531.5 -3609.84,4531.5 -3539.37,4531.5 -3432.09,4532.48 -4161.02,4532.68 -3065.76,4535.63 -2863.4,4535.63 -2729.53,4535.63 -2666.55,4535.63 -2431.91,4535.63 -922.05,4555.12 -1471.73,4561.87 -748.63,4563.87 -3288.19,4583.07 -3238.98,4583.07 -3189.37,4583.07 -3140.55,4583.07 -5818.91,4622.5 -5484.27,4622.5 -5203.74,4625.98 -748.63,4646.94 -1471.26,4648.19 -921.58,4655.61 -3065.76,4697.94 -2863.4,4697.94 -2729.53,4697.94 -2666.55,4697.94 -2471.28,4697.94 -921.58,4738.68 -1471.26,4745.43 -748.65,4750.88 -5720.49,4819.35 -4992.14,4819.35 -4795.29,4819.35 -3161.43,4819.35 -2964.58,4819.35 -2767.73,4819.35 -2570.88,4819.35 -2374.03,4819.35 -748.65,4833.95 -1471.26,4842.91 -2472.46,4935.04 -2275.61,4935.04 -2140.75,4935.04 -1471.26,4940.16 -5184.25,4941.73 -5728.35,5000 -5551.18,5000 -6015.76,5016.2 -5818.91,5016.2 -748.26,5028.05 -5390.16,5080.11 -3664.96,5086.22 -3390.55,5086.22 -3339.77,5086.62 -3239.37,5095.05 -3063.01,5095.05 -2866.16,5095.05 -2669.31,5095.05 -2472.46,5095.05 -2275.61,5095.05 -2098.44,5095.05 -748.26,5111.12 -3340.16,5138.58 -4797.64,5167.32 -4651.58,5166.93 -5728.35,5177.17 -5551.18,5177.17 -5917.34,5213.05 -5188.99,5213.05 -748.43,5212.99 972.43,5213.05 -405.53,5235.69 -208.68,5235.69 -11.83,5235.69 185.02,5235.69 -4204.74,5262.31 -3948.83,5262.31 -3751.98,5262.31 -3555.13,5262.31 -3358.28,5262.31 -3161.43,5262.31 -2964.58,5262.31 -2767.73,5262.31 -2570.88,5262.31 -2374.03,5262.31 -2177.18,5262.31 -748.43,5296.06 -5570.87,5314.96 -6015.76,5409.9 -5818.91,5409.9 -5425.21,5409.9 -5228.36,5409.9 -4834.66,5409.9 -4637.81,5409.9 -4440.96,5409.9 -4244.11,5409.9 -4047.26,5409.9 -3850.41,5409.9 -3653.56,5409.9 -3456.71,5409.9 -3259.86,5409.9 -3063.01,5409.9 -2866.16,5409.9 -2669.31,5409.9 -2472.46,5409.9 -2275.61,5409.9 -2078.76,5409.9 -1881.91,5409.9 -1685.05,5409.9 -1488.2,5409.9 -1291.35,5409.9 -1094.5,5409.9 -897.65,5409.9 -700.8,5409.9 -503.95,5409.9 -307.1,5409.9 -110.25,5409.9 86.6,5409.9 -5917.34,5606.69 -5129.94,5606.69 -4933.09,5606.69 -4736.24,5606.69 -4539.39,5606.69 -4342.54,5606.69 -4145.68,5606.69 -3948.83,5606.69 -3751.98,5606.69 -3555.13,5606.69 -3358.28,5606.69 -3161.43,5606.69 -2964.58,5606.69 -2767.73,5606.69 -2570.88,5606.69 -2374.03,5606.69 -2177.18,5606.69 -1980.33,5606.69 -1783.48,5606.69 -1586.63,5606.69 -1389.78,5606.69 -1192.93,5606.69 -996.08,5606.69 -799.23,5606.69 -602.38,5606.69 -405.53,5606.69 -208.68,5606.69 -11.83,5606.69